# KiCad board keyboard0.kicad_pcb (continued)
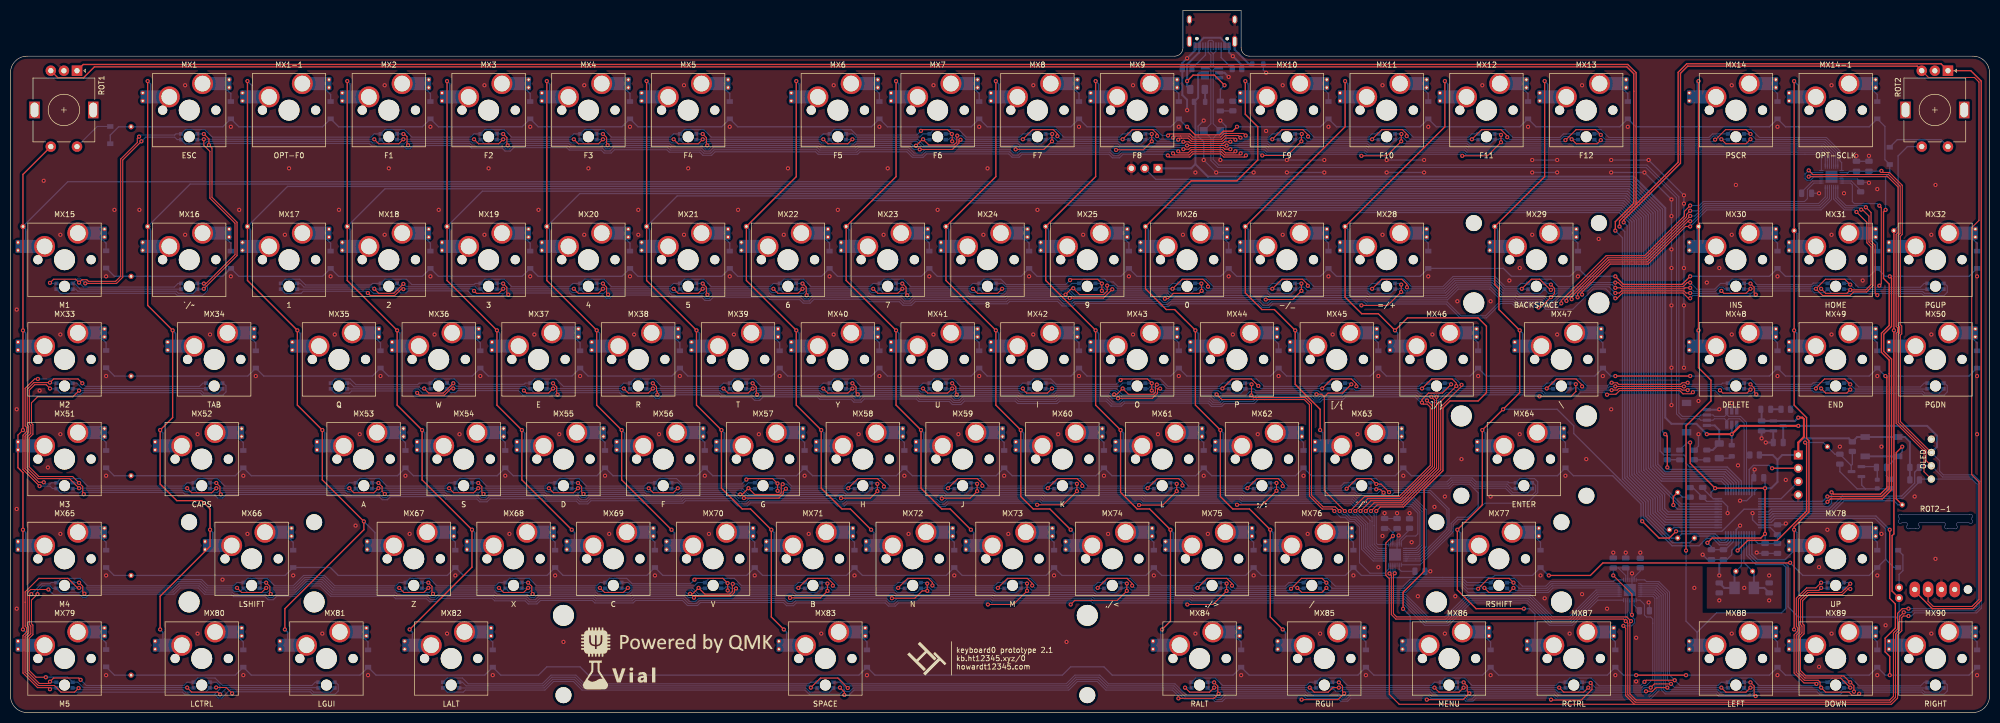
[diagram p0: board, top side]
## Routing (per net, layer and track width the routed paths; a pad name or vN(x,y) marks a point on that pad's centre or on a via; arc(x,y) is an arc through that point) (continued)
2CA2: length 237
  Top w0.2: v1(84.53,62.91) 82.66,61.04 79.84,61.04 v1(78.97,61.91) ; v1(253.73,38.49) 252.93,39.29 250.58,39.29 248.36,41.51 248.36,58.99 247.16,60.2 237.26,60.2 v1(236.87,60.59) 236.92,60.63 v1(236.92,62.7)
  Bottom w0.2: v1(84.53,62.91) 85.13,62.31 98.26,62.31 98.72,61.85 98.72,61.84 LED35.3 100.05,61.04 103.74,61.04 104.21,61.51 116.43,61.51 116.73,61.21 117.67,61.21 LED36.3 119.1,61.04 122.79,61.04 123.26,61.51 135.48,61.51 135.78,61.21 136.72,61.21 LED37.3 138.15,61.04 141.84,61.04 142.31,61.51 154.53,61.51 154.83,61.21 155.77,61.21 LED38.3 157.2,61.04 160.89,61.04 161.36,61.51 173.58,61.51 173.88,61.21 174.81,61.21 LED39.3 176.25,61.04 179.94,61.04 180.41,61.51 192.63,61.51 192.93,61.21 193.86,61.21 LED40.3 195.29,61.04 198.99,61.04 199.46,61.51 210.96,61.51 212.16,60.31 229.13,60.31 229.75,59.69 230.75,59.69 231.3,60.24 236.52,60.24 v1(236.87,60.59) ; LED33.1 64.85,62.94 65.55,62.24 78.02,62.24 78.35,61.91 v1(78.97,61.91) 79.04,61.84 LED34.3 ; v1(236.92,62.7) 236.68,62.94 LED42.1 ; v1(253.73,38.49) 254.45,37.77 254.89,37.77 255.75,36.9 256.63,36.9 257.93,35.61 257.93,34.73 257.93,34.73 257.93,31.2 260.17,28.96 262.36,28.96
2CA3: length 251
  Top w0.2: 250.81,60.32 251.53,61.04 254.31,61.04 v1(255.97,62.7) ; 250.81,60.32 250.32,60.81 v1(249.32,60.81) ; 250.81,60.32 250.81,42.41 v1(254.73,38.49) ; v1(103.58,61.91) 102.71,61.04 98.49,61.04 v1(98.02,61.51) ; v1(179.77,61.91) 178.9,61.04 175.09,61.04 v1(174.22,61.91) ; v1(136.12,61.91) 136.99,61.04 140.81,61.04 v1(141.68,61.91) ; v1(160.72,61.91) 159.86,61.04 156.04,61.04 v1(155.17,61.91) ; v1(77.64,61.06) 78.06,60.64 82.83,60.64 84.09,61.91 v1(84.53,61.91) ; v1(193.27,61.91) 193.27,61.74 193.97,61.04 197.95,61.04 v1(198.82,61.91) ; v1(122.63,61.91) 121.76,61.04 117.94,61.04 v1(117.07,61.91)
  Bottom w0.2: LED35.2 103.51,61.84 v1(103.58,61.91) v1(117.07,61.91) ; LED37.2 141.61,61.84 v1(141.68,61.91) v1(155.17,61.91) ; 83.5,62.94 v1(84.53,61.91) 97.63,61.91 v1(98.02,61.51) ; LED36.2 122.56,61.84 v1(122.63,61.91) v1(136.12,61.91) ; LED43.1 255.73,62.94 v1(255.97,62.7) ; v1(193.27,61.91) v1(179.77,61.91) 179.7,61.84 LED39.2 ; v1(174.22,61.91) v1(160.72,61.91) 160.66,61.84 LED38.2 ; LED40.2 198.75,61.84 v1(198.82,61.91) 211.12,61.91 212.32,60.71 229.29,60.71 229.91,60.09 230.58,60.09 231.13,60.64 235.89,60.64 236.54,61.29 237.37,61.29 237.55,61.11 248.83,61.11 249.13,60.81 v1(249.32,60.81) ; I2.23 260.33,29.36 258.33,31.36 258.33,35.77 256.8,37.3 255.92,37.3 255.55,37.68 255.55,37.68 v1(254.73,38.49) ; LED33.3 61.95,61.04 64.74,61.04 65.14,61.44 77.26,61.44 v1(77.64,61.06)
2CA4: length 269.9
  Top w0.2: v1(103.58,62.91) 104.28,62.21 104.28,60.9 v1(104.44,60.74) ; v1(275.02,62.7) 273.35,61.04 270.7,61.04 269.45,59.79 v1(269.45,59.22) 269.75,58.92 270.46,58.92 271.04,58.35 271.04,47.22 265.1,41.27 258.51,41.27 v1(255.73,38.49)
  Bottom w0.2: v1(255.73,38.49) 255.74,38.49 256.47,37.76 256.91,37.76 258.73,35.94 258.73,35.06 258.73,35.06 258.73,31.53 260.5,29.76 I2.24 ; v1(275.02,62.7) 274.78,62.94 LED44.1 ; v1(103.58,62.91) 103.55,62.94 LED35.1 ; v1(269.45,59.22) 269.2,59.22 268.11,60.31 254.91,60.31 254.44,59.84 250.52,59.84 249.99,59.31 248.68,59.31 248.08,59.91 238.32,59.91 237.45,59.04 231.8,59.04 231.25,58.49 229.25,58.49 228.63,59.11 212.67,59.11 212.1,58.54 210.1,58.54 209.14,59.51 200.29,59.51 199.82,59.04 192.27,59.04 191.8,59.51 182.13,59.51 181.47,58.84 179.8,58.84 179.2,59.44 173.39,59.44 172.92,59.91 163,59.91 162.4,59.31 161,59.31 160.47,59.84 154.5,59.84 154.04,60.31 143.7,60.31 143.04,59.64 142.03,59.64 141.44,60.24 135.62,60.24 135.15,60.71 124.49,60.71 123.82,60.04 123.15,60.04 122.63,60.57 116.81,60.57 116.27,61.11 104.8,61.11 v1(104.44,60.74) 104.33,60.64 97.86,60.64 96.99,61.51 85.32,61.51 84.93,61.11 84.03,61.11 LED34.2 82.5,61.04 78.65,61.04 77.85,61.84 LED33.2
2CA5: length 231.4
  Top w0.2: v1(298.83,62.74) 298.83,61.35 298.84,61.34 297.86,60.35 291.95,60.35 v1(291.9,60.41) ; v1(270.41,59.62) 271.44,58.59 271.44,47.05 265.26,40.87 259.11,40.87 v1(256.73,38.49) ; v1(122.63,62.91) 122.66,62.91 123.33,62.24 123.33,61.47 123.49,61.31 v1(123.49,60.74)
  Bottom w0.2: v1(291.9,60.41) 291.6,60.71 274.23,60.71 272.73,59.21 270.82,59.21 v1(270.41,59.62) 270.11,59.92 269.07,59.92 268.28,60.71 254.74,60.71 254.27,60.24 250.35,60.24 249.82,59.71 248.85,59.71 248.25,60.31 238.15,60.31 237.28,59.44 231.63,59.44 231.09,58.89 229.41,58.89 228.8,59.51 212.5,59.51 211.94,58.94 210.27,58.94 209.31,59.91 200.12,59.91 199.65,59.44 192.44,59.44 191.97,59.91 181.97,59.91 181.3,59.24 179.97,59.24 179.37,59.84 173.55,59.84 173.08,60.31 162.84,60.31 162.24,59.71 161.17,59.71 160.64,60.24 154.67,60.24 154.2,60.71 143.54,60.71 142.87,60.04 142.2,60.04 141.6,60.64 135.79,60.64 135.32,61.11 123.85,61.11 v1(123.49,60.74) ; I2.25 260.66,30.16 259.13,31.69 259.13,36.1 256.74,38.49 v1(256.73,38.49) ; LED36.1 122.6,62.94 v1(122.63,62.91) ; v1(298.83,62.74) 298.63,62.94 LED45.1
2CA6: length 287.4
  Top w0.2: v1(257.73,38.49) 259.71,40.47 265.43,40.47 271.84,46.88 271.84,59.72 v1(271.24,60.32) ; v1(345.66,61.91) 346.53,61.04 350.55,61.04 v1(351.21,61.7) ; v1(142.54,60.74) 142.38,60.9 142.38,62.21 v1(141.68,62.91) ; v1(333.28,60.79) 332.96,61.12 332.96,61.91 v1(332.16,62.7) ; v1(321.17,61.21) 320.86,60.9 319.27,60.9 318.66,61.51 307.17,61.51 306.47,60.81 304.87,60.81 v1(304.78,60.72)
  Bottom w0.2: 262.36,30.56 260.83,30.56 259.53,31.86 259.53,36.68 259.53,36.69 v1(257.73,38.49) ; LED48.2 368.23,61.04 365.4,61.04 365.04,61.4 351.51,61.4 v1(351.21,61.7) 351.08,61.84 LED47.2 ; v1(142.54,60.74) 142.9,61.11 154.37,61.11 154.84,60.64 160.8,60.64 161.33,60.11 162.07,60.11 162.67,60.71 173.25,60.71 173.72,60.24 179.53,60.24 180.13,59.64 181.13,59.64 181.8,60.31 192.13,60.31 192.6,59.84 199.49,59.84 199.95,60.31 209.47,60.31 210.44,59.34 211.77,59.34 212.33,59.91 228.96,59.91 229.58,59.29 230.92,59.29 231.47,59.84 237.11,59.84 237.99,60.71 248.41,60.71 249.01,60.11 249.66,60.11 250.19,60.64 254.11,60.64 254.58,61.11 268.5,61.11 269.29,60.32 v1(271.24,60.32) 271.95,59.61 272.57,59.61 274.06,61.11 292.32,61.11 292.79,60.64 299.18,60.64 299.74,61.2 304.3,61.2 v1(304.78,60.72) ; v1(321.17,61.21) 321.47,61.51 325.42,61.51 326.33,60.6 333.09,60.6 v1(333.28,60.79) ; v1(345.66,61.91) 344.96,62.61 344.32,62.61 344.02,62.31 332.56,62.31 v1(332.16,62.7) 331.93,62.94 LED46.1 ; v1(141.68,62.91) 141.64,62.94 LED37.1
2CA7: length 263.1
  Top w0.2: v1(320.17,61.6) 319.14,61.6 318.83,61.91 307,61.91 306.7,61.61 305.67,61.61 v1(305.66,61.6) ; v1(161.74,60.81) 161.42,61.12 161.42,62.21 v1(160.72,62.91) ; v1(344.66,61.91) 344.66,62.1 346.3,63.74 350.18,63.74 v1(351.21,62.7) ; v1(219.48,61.89) 218.97,61.89 218.97,61.01 218,60.04 v1(211.43,60.04) ; v1(272.24,60.32) 272.24,46.72 265.59,40.07 260.3,40.07 v1(258.73,38.49) ; v1(332.16,61.7) 331.5,61.04 326.88,61.04 v1(326.35,61.57)
  Bottom w0.2: v1(211.43,60.04) 210.3,60.04 209.64,60.71 199.79,60.71 199.32,60.24 192.77,60.24 192.3,60.71 181.63,60.71 180.97,60.04 180.3,60.04 179.7,60.64 173.88,60.64 173.42,61.11 162.04,61.11 v1(161.74,60.81) ; LED38.1 160.69,62.94 v1(160.72,62.91) ; v1(305.66,61.6) 299.62,61.6 299.18,62.04 298.51,62.04 298.31,61.84 LED45.2 296.8,61.04 292.95,61.04 292.48,61.51 275.81,61.51 275.48,61.84 LED44.2 ; LED47.1 350.98,62.94 v1(351.21,62.7) 352.11,61.8 365.9,61.8 ; v1(344.66,61.91) 344.65,61.91 332.37,61.91 v1(332.16,61.7) 332.03,61.84 LED46.2 ; v1(258.73,38.49) 258.74,38.49 259.93,37.3 259.93,36.52 259.93,36.52 259.93,32.02 260.99,30.96 262.36,30.96 ; 273.76,61.84 v1(272.24,60.32) 271.52,61.04 269.14,61.04 268.67,61.51 256.76,61.51 256.43,61.84 LED43.2 253.94,61.04 250.09,61.04 249.62,61.51 237.71,61.51 237.39,61.84 LED42.2 234.89,61.04 231.04,61.04 230.57,61.51 219.85,61.51 v1(219.48,61.89) 218.57,61.89 218.25,62.21 217.54,62.21 217.17,61.84 LED41.2 ; v1(320.17,61.6) 320.48,61.91 326.02,61.91 v1(326.35,61.57)
2CA8: length 255.6
  Top w0.2: v1(293.27,61.91) 295.1,63.74 298.86,63.74 300.02,62.58 v1(300.02,62.31) ; v1(179.77,62.91) 180.47,62.21 180.47,60.9 v1(180.63,60.74) ; v1(210.7,60.78) 211.19,60.78 v1(212.31,61.91) 213.41,60.81 218.21,60.81 218.57,61.18 218.57,62.39 v1(218.84,62.66) ; v1(269.46,61.91) 271.29,63.74 275.21,63.74 276.01,62.94 v1(276.01,62.37) 272.64,59 272.64,46.55 265.76,39.67 260.91,39.67 v1(259.73,38.49) ; v1(250.41,61.91) 252.24,63.74 255.97,63.74 256.94,62.77 v1(256.94,62.33) ; v1(238.21,62.4) 236.87,63.74 233.19,63.74 v1(231.36,61.91) ; v1(319.46,62.31) v1(306.37,62.31)
  Bottom w0.2: v1(306.37,62.31) 305.33,62.31 305.03,62 300.33,62 v1(300.02,62.31) ; v1(212.31,61.91) 212.38,61.84 LED41.3 ; LED42.3 231.43,61.84 v1(231.36,61.91) 220.79,61.91 220.04,62.66 v1(218.84,62.66) ; v1(276.01,62.37) 276.47,61.91 v1(293.27,61.91) 293.34,61.84 LED45.3 ; v1(180.63,60.74) 181,61.11 192.46,61.11 192.93,60.64 199.15,60.64 199.62,61.11 209.8,61.11 210.13,60.78 v1(210.7,60.78) ; 369.22,62.94 369.73,62.43 369.73,61.25 369.12,60.64 365.24,60.64 364.87,61 347.72,61 LED47.3 346.25,61.21 344.32,61.21 344.02,61.51 333,61.51 332.5,61 328.67,61 LED46.3 327.07,61.84 326.61,62.31 v1(319.46,62.31) ; v1(256.94,62.33) 257.35,61.91 268.83,61.91 268.84,61.91 v1(269.46,61.91) 269.53,61.84 LED44.3 ; v1(179.77,62.91) 179.74,62.94 LED39.1 ; I2.28 261.16,31.36 260.33,32.19 260.33,35.72 260.33,35.72 260.33,37.89 v1(259.73,38.49) ; LED43.3 250.48,61.84 v1(250.41,61.91) 249.79,61.91 249.78,61.91 238.7,61.91 v1(238.21,62.4)
2CA9: length 219.4
  Top w0.2: v1(305.66,63.01) 305.67,63.01 306.7,63.01 307,62.71 318.83,62.71 319.14,63.01 v1(320.17,63.01) ; v1(277.01,62.61) 277.01,62.34 273.04,58.37 273.04,46.39 265.92,39.27 261.51,39.27 260.73,38.5
  Bottom w0.2: LED47.4 347.68,63.74 351.31,63.74 352.85,62.2 364.6,62.2 365.34,62.94 LED48.4 ; v1(260.73,38.5) 260.73,38.49 260.73,32.35 260.99,32.1 I2.1 ; 346.82,63.01 344.15,63.01 343.85,62.71 333.2,62.71 332.16,63.74 328.64,63.74 LED46.4 326.84,62.94 326.61,62.71 320.48,62.71 v1(320.17,63.01) ; v1(305.66,63.01) 305.47,63.01 304.86,62.4 300.96,62.4 299.62,63.74 295.3,63.74 LED45.4 293.27,62.94 292.64,62.31 277.31,62.31 v1(277.01,62.61) 275.88,63.74 271.49,63.74 LED44.4 269.46,62.94 268.83,62.31 257.99,62.31 256.56,63.74 252.44,63.74 LED43.4 250.41,62.94 249.78,62.31 239.29,62.31 237.87,63.74 233.39,63.74 LED42.4 231.36,62.94 230.73,62.31 220.96,62.31 219.53,63.74 214.34,63.74 LED41.4 212.31,62.94 211.68,62.31 199.46,62.31 198.83,62.94 LED40.1
2CB1: length 340.2
  Top w0.2: v1(140.48,44.52) 140.66,44.7 145.5,44.7 v1(146.43,43.76) 146.44,43.75 v1(146.44,42.36) ; v1(6.35,43.99) 5.39,43.99 2.78,46.6 2.78,52.81 3.48,53.51 3.48,54.66 3.21,54.93 3.21,61.77 4.47,63.04 v1(7.54,63.04) 8.24,63.74 12.89,63.74 v1(13.71,62.92)
  Bottom w0.2: v1(6.35,43.99) 6.68,43.66 7.54,43.66 7.78,43.89 LED51.4 9.57,44.69 13.3,44.69 14.73,43.26 33.1,43.26 33.73,43.89 LED52.4 35.76,44.69 39.49,44.69 40.92,43.26 64.05,43.26 64.68,43.89 LED53.4 66.71,44.69 70.45,44.69 71.88,43.26 83.1,43.26 83.73,43.89 LED54.4 85.76,44.69 89.5,44.69 90.93,43.26 102.15,43.26 102.78,43.89 LED55.4 104.81,44.69 108.55,44.69 109.98,43.26 121.04,43.26 121.67,43.89 LED56.4 123.86,44.69 127.16,44.69 128.19,43.66 139.63,43.66 v1(140.48,44.52) ; v1(7.54,63.04) 7.64,62.94 LED49.4 ; I2.7 265.5,32.77 266.47,33.73 268.27,33.73 268.67,34.13 268.67,38.1 267.36,39.4 256.39,39.4 255.81,39.98 234.92,39.98 234.52,40.39 216.25,40.39 215.85,40.79 197.21,40.79 196.81,41.19 178.48,41.19 178.08,41.59 159.6,41.59 159.13,42.06 148.03,42.06 148.03,42.06 146.74,42.06 v1(146.44,42.36) ; LED50.4 36.74,62.94 36.11,62.31 14.32,62.31 v1(13.71,62.92) ; LED57.1 146.3,43.89 v1(146.43,43.76)
2CB2: length 340
  Top w0.2: v1(5.56,43.26) 2.38,46.43 2.38,52.98 3.08,53.68 3.08,54.49 2.81,54.77 2.81,61.94 4.61,63.74 v1(5.23,63.74) ; v1(165.49,43.69) v1(165.49,42.29) 164.16,40.96 v1(158.55,40.96)
  Bottom w0.2: 37.27,61.91 13.73,61.91 12.7,62.94 LED49.1 11.07,63.74 v1(5.23,63.74) ; v1(158.55,40.96) 158.25,41.26 140.73,41.26 139.53,42.46 128.02,42.46 127.56,41.99 123.86,41.99 LED56.3 122.43,42.16 121.5,42.16 121.2,42.46 108.98,42.46 108.51,41.99 104.81,41.99 LED55.3 103.38,42.16 102.45,42.16 102.15,42.46 89.93,42.46 89.46,41.99 85.76,41.99 LED54.3 84.33,42.16 83.4,42.16 83.1,42.46 71.03,42.46 70.56,41.99 66.71,41.99 LED53.3 65.28,42.16 64.35,42.16 64.05,42.46 39.92,42.46 39.46,41.99 35.76,41.99 LED52.3 34.33,42.16 33.4,42.16 33.1,42.46 13.73,42.46 13.26,41.99 9.57,41.99 LED51.3 8.01,42.79 7.54,43.26 v1(5.56,43.26) ; LED58.1 165.29,43.89 v1(165.49,43.69) ; v1(165.49,42.29) 165.79,41.99 178.25,41.99 178.65,41.59 196.98,41.59 197.38,41.19 216.01,41.19 216.41,40.79 234.68,40.79 235.09,40.38 255.98,40.38 256.56,39.8 267.53,39.8 269.07,38.26 269.07,32.13 268.29,31.36 I2.8
2CB3: length 351.3
  Top w0.2: v1(177.79,40.89) 177.86,40.96 183.2,40.96 v1(184.54,42.29) v1(184.54,43.69) ; v1(83.74,42.86) 84.6,41.99 88.42,41.99 v1(89.29,42.86) ; v1(102.78,42.86) 103.65,41.99 107.47,41.99 v1(108.34,42.86) ; v1(70.24,42.86) 69.37,41.99 65.56,41.99 v1(64.69,42.86) ; v1(13.1,42.86) 11.27,44.69 5.25,44.69 3.18,46.76 3.18,52.65 3.88,53.35 3.88,54.85 3.6,55.13 3.6,61.61 4.64,62.64 6.81,62.64 v1(7.54,61.91) ; v1(33.73,42.86) 34.6,41.99 38.42,41.99 v1(39.29,42.86) ; v1(121.83,42.86) 122.7,41.99 126.52,41.99 v1(127.39,42.86)
  Bottom w0.2: v1(177.79,40.89) 177.49,41.19 159.43,41.19 158.96,41.66 140.89,41.66 139.69,42.86 v1(127.39,42.86) 127.32,42.79 LED56.2 ; LED53.2 70.17,42.79 v1(70.24,42.86) v1(83.74,42.86) ; v1(102.78,42.86) v1(89.29,42.86) 89.22,42.79 LED54.2 ; v1(7.54,61.91) 7.61,61.84 LED49.3 9.57,61.04 12.53,61.04 12.76,60.81 13.43,60.81 13.73,61.11 36.21,61.11 36.69,60.64 40.53,60.64 41.14,61.25 41.14,62.43 40.63,62.94 ; LED59.1 184.34,43.89 v1(184.54,43.69) ; v1(184.54,42.29) 184.84,41.99 197.14,41.99 197.54,41.59 216.18,41.59 216.58,41.19 234.85,41.19 235.25,40.78 256.15,40.78 256.73,40.2 267.69,40.2 269.47,38.43 269.47,31.97 268.46,30.96 266.24,30.96 ; v1(64.69,42.86) v1(39.29,42.86) 39.22,42.79 LED52.2 ; LED55.2 108.27,42.79 v1(108.34,42.86) v1(121.83,42.86) ; LED51.2 13.03,42.79 v1(13.1,42.86) v1(33.73,42.86)
2CB4: length 343.6
  Top w0.2: v1(203.58,43.69) v1(203.58,42.29) 200.98,39.69 v1(195.99,39.69) ; v1(13.1,61.51) 11.91,60.32 5.16,60.32 4,59.17 4,55.29 4.28,55.02 4.28,53.18 3.58,52.48 3.58,46.93 5.42,45.09 11.87,45.09 v1(13.1,43.86) 13.8,43.16 13.8,41.92 v1(13.99,41.73)
  Bottom w0.2: v1(13.1,43.86) 13.07,43.89 LED51.1 ; 266.24,30.56 267.15,30.56 268.62,30.56 269.87,31.8 269.87,38.59 267.86,40.6 256.89,40.6 256.31,41.18 235.42,41.18 235.01,41.59 216.74,41.59 216.34,41.99 203.88,41.99 v1(203.58,42.29) ; LED50.2 39.64,61.04 36.85,61.04 36.38,61.51 v1(13.1,61.51) 12.77,61.84 LED49.2 ; LED60.1 203.38,43.89 v1(203.58,43.69) ; v1(195.99,39.69) 195.69,39.99 179.06,39.99 178.46,39.39 177.12,39.39 176.52,39.99 159.75,39.99 159.22,39.46 157.83,39.46 157.23,40.06 141.27,40.06 140.68,39.48 138.77,39.48 137.79,40.46 128.85,40.46 128.38,39.99 120.84,39.99 120.37,40.46 110.82,40.46 110.22,39.86 108.56,39.86 108.03,40.39 101.95,40.39 101.49,40.86 91.57,40.86 90.97,40.26 89.57,40.26 89.04,40.79 83.07,40.79 82.6,41.26 72.56,41.26 71.96,40.66 70.96,40.66 70.43,41.19 64.19,41.19 63.72,41.66 41.15,41.66 40.48,40.99 39.57,40.99 38.97,41.59 33.4,41.59 32.93,42.06 14.32,42.06 v1(13.99,41.73)
2CB5: length 255.4
  Top w0.2: v1(40.15,41.69) 39.99,41.85 39.99,43.16 v1(39.29,43.86) ; v1(222.63,43.69) v1(222.63,42.29) 219.98,39.64 v1(215.44,39.64)
  Bottom w0.2: v1(222.63,43.69) 222.43,43.89 LED61.1 ; I2.11 266.99,30.16 268.79,30.16 270.27,31.64 270.27,38.76 268.02,41 257.06,41 256.48,41.58 235.59,41.58 235.18,41.99 222.93,41.99 v1(222.63,42.29) ; v1(215.44,39.64) 215.09,39.99 196.88,39.99 196.48,40.39 178.89,40.39 178.29,39.79 177.29,39.79 176.69,40.39 159.58,40.39 159.05,39.86 158,39.86 157.4,40.46 141.1,40.46 140.52,39.88 138.93,39.88 137.95,40.86 128.69,40.86 128.22,40.39 121,40.39 120.53,40.86 110.66,40.86 110.06,40.26 108.72,40.26 108.19,40.79 102.12,40.79 101.65,41.26 91.41,41.26 90.81,40.66 89.74,40.66 89.2,41.19 83.24,41.19 82.77,41.66 72.4,41.66 71.8,41.06 71.12,41.06 70.59,41.59 64.35,41.59 63.88,42.06 40.51,42.06 v1(40.15,41.69) ; v1(39.29,43.86) 39.26,43.89 LED52.1
2CB6: length 265.2
  Top w0.2: v1(70.24,43.86) 70.94,43.16 70.94,42.28 v1(71.46,41.76) ; v1(241.68,43.86) v1(241.68,42.37) 239.01,39.69 v1(234.14,39.69) ; v1(260.73,42.65) 261.49,42.65 v1(262.12,42.02)
  Bottom w0.2: LED53.1 70.21,43.89 v1(70.24,43.86) ; v1(241.68,42.37) 242.06,41.98 256.64,41.98 257.22,41.4 261.51,41.4 v1(262.12,42.02) 262.73,41.4 263.51,41.4 264.16,42.05 270.89,42.05 274.22,38.73 274.22,35.32 274.22,35.32 274.22,35.03 268.95,29.76 266.82,29.76 I2.12 ; v1(234.14,39.69) 234.14,39.69 233.84,39.99 216.08,39.99 215.68,40.39 197.04,40.39 196.64,40.79 178.72,40.79 178.12,40.19 177.45,40.19 176.85,40.79 159.42,40.79 158.89,40.26 158.17,40.26 157.57,40.86 140.94,40.86 140.35,40.28 139.1,40.28 138.12,41.26 128.52,41.26 128.05,40.79 121.17,40.79 120.7,41.26 110.49,41.26 109.89,40.66 108.89,40.66 108.36,41.19 102.29,41.19 101.82,41.66 91.24,41.66 90.64,41.06 89.9,41.06 89.37,41.59 83.4,41.59 82.93,42.06 71.76,42.06 v1(71.46,41.76) ; v1(241.68,43.86) 241.65,43.89 LED62.1 ; LED63.2 260.59,42.79 v1(260.73,42.65) 261.33,43.25 274.56,43.25 275.32,44.02 278.72,44.02 279.48,43.25 280.57,43.25 285.57,43.25 286.83,41.99 289.66,41.99 LED64.2
2CB7: length 245.2
  Top w0.2: v1(263.18,42.1) 261.63,43.65 v1(260.73,43.65) 259.69,44.69 257,44.69 v1(255.08,42.77) ; v1(140.02,40.98) 146.71,40.98 147.54,41.81 147.54,42.28 v1(148.03,42.76) ; v1(89.29,43.86) 89.99,43.16 89.99,42.07 v1(90.3,41.76)
  Bottom w0.2: v1(89.29,43.86) 89.26,43.89 LED54.1 ; I2.13 266.66,29.36 268.26,29.36 268.26,29.36 269.12,29.36 274.62,34.86 274.62,38.89 271.06,42.45 263.52,42.45 v1(263.18,42.1) ; LED57.2 145.83,42.79 146.1,43.06 146.77,43.06 147.07,42.76 v1(148.03,42.76) 148.33,42.46 159.29,42.46 159.76,41.99 163.46,41.99 LED58.2 164.95,42.79 165.15,42.99 165.82,42.99 166.35,42.46 178.34,42.46 178.81,41.99 182.51,41.99 LED59.2 184,42.79 184.2,42.99 184.87,42.99 185.4,42.46 197.24,42.46 197.71,41.99 201.56,41.99 LED60.2 203.05,42.79 203.25,42.99 203.92,42.99 204.45,42.46 216.44,42.46 216.91,41.99 220.6,41.99 LED61.2 222.1,42.79 222.3,42.99 223.14,42.99 223.67,42.46 235.33,42.46 235.8,41.99 239.65,41.99 LED62.2 241.07,42.79 241.35,43.07 242.02,43.07 242.62,42.47 254.78,42.47 v1(255.08,42.77) ; LED63.1 260.49,43.89 v1(260.73,43.65) 274.39,43.65 275.15,44.42 278.88,44.42 279.65,43.65 285.73,43.65 286.59,42.79 LED64.3 ; v1(140.02,40.98) 138.98,40.98 138.3,41.66 128.36,41.66 127.89,41.19 121.33,41.19 120.87,41.66 110.31,41.66 109.71,41.06 109.06,41.06 108.52,41.59 102.45,41.59 101.98,42.06 90.6,42.06 v1(90.3,41.76)
2CB8: length 233.2
  Top w0.2: v1(242.87,43.26) 242.87,43.82 242,44.69 237.96,44.69 v1(236.13,42.86) ; v1(217.08,42.86) 218.91,44.69 223,44.69 223.74,43.95 v1(223.74,43.38) ; v1(159.93,42.86) 161.76,44.69 165.53,44.69 165.53,44.69 166.74,43.47 v1(166.74,43.16) ; v1(198.03,42.86) 199.86,44.69 203.62,44.69 204.61,43.7 v1(204.61,43.29) ; v1(147.42,43.63) 147.14,43.35 147.14,41.97 146.83,41.66 142.08,41.66 v1(140.88,42.86) 139.71,41.69 v1(139.31,41.69) ; v1(178.98,42.86) 180.81,44.69 184.57,44.69 185.53,43.74 v1(185.53,43.33) ; v1(108.34,43.86) 109.04,43.16 109.04,42.11 v1(109.39,41.76)
  Bottom w0.2: 279.32,42.85 278.55,43.62 275.49,43.62 274.72,42.85 261.97,42.85 260.92,41.8 257.39,41.8 LED63.3 256.09,42.79 255.41,43.47 254.74,43.47 254.14,42.87 243.26,42.87 v1(242.87,43.26) ; 279.32,42.85 285.4,42.85 286.66,41.59 290.55,41.59 291.16,42.2 291.16,43.38 290.65,43.89 ; 279.32,42.85 280.18,41.99 280.18,39.29 278.19,37.3 276.21,37.3 275.02,36.12 275.02,34.7 269.28,28.96 266.24,28.96 ; v1(204.61,43.29) 205.04,42.86 v1(217.08,42.86) 217.15,42.79 LED61.3 ; v1(185.53,43.33) 185.99,42.86 v1(198.03,42.86) 198.1,42.79 LED60.3 ; v1(147.42,43.63) 148.2,43.63 148.96,42.86 v1(159.93,42.86) 160,42.79 LED58.3 ; v1(139.31,41.69) 138.88,41.69 138.51,42.06 128.19,42.06 127.72,41.59 121.5,41.59 121.03,42.06 109.69,42.06 v1(109.39,41.76) ; v1(223.74,43.38) 224.26,42.86 235.5,42.86 235.5,42.86 v1(236.13,42.86) 236.19,42.79 LED62.3 ; v1(166.74,43.16) 167.04,42.86 v1(178.98,42.86) 179.05,42.79 LED59.3 ; LED57.3 140.95,42.79 v1(140.88,42.86) ; v1(108.34,43.86) 108.31,43.89 LED55.1
2CB9: length 209.6
  Bottom w0.2: LED56.1 127.39,43.89 128.02,43.26 140.25,43.26 140.88,43.89 LED57.4 142.91,44.69 147.7,44.69 149.13,43.26 159.29,43.26 159.93,43.89 LED58.4 161.96,44.69 166.43,44.69 167.86,43.26 178.34,43.26 178.97,43.89 LED59.4 181.01,44.69 185.36,44.69 186.79,43.26 197.39,43.26 198.02,43.89 LED60.4 200.06,44.69 204.25,44.69 205.68,43.26 216.44,43.26 217.07,43.89 LED61.4 219.1,44.69 223.47,44.69 224.89,43.26 235.49,43.26 236.12,43.89 LED62.4 238.15,44.69 242.47,44.69 243.9,43.27 253.97,43.27 254.6,43.89 LED63.4 257.2,44.69 260.73,44.69 261.37,44.05 274.23,44.05 274.99,44.82 279.05,44.82 279.81,44.05 285.9,44.05 286.06,43.89 LED64.4 288.16,44.69 290.95,44.69 291.56,44.08 291.56,42.04 289.52,40 281.45,40 278.36,36.9 276.37,36.9 275.42,35.95 275.42,34.53 269.11,28.22 I2.15
3CA1: length 400.3
  Top w0.2: v1(3.97,22.62) 3.61,22.26 3.61,16.82 3.88,16.54 3.88,15.05 3.18,14.35 3.18,7.87 5.49,5.56 7.21,5.56 v1(7.54,5.89) 8.24,6.59 13.05,6.59 v1(13.39,6.25) ; v1(136.91,23.32) 136.91,24.71 v1(136.9,24.72) 135.98,25.64 130.82,25.64 v1(130.57,25.39)
  Bottom w0.2: v1(13.39,6.25) 14.48,5.16 33.1,5.16 33.73,5.79 LED66.4 35.76,6.59 39.06,6.59 40.48,5.17 57.56,5.17 58.18,5.79 LED67.4 ; LED73.1 136.78,24.84 v1(136.9,24.72) ; LED65.4 7.64,5.79 v1(7.54,5.89) ; 8.87,24.84 9.67,25.64 13.3,25.64 14.73,24.21 30.55,24.21 31.74,25.4 36.51,25.4 37.7,24.21 42.62,24.21 43.25,24.84 LED69.4 45.28,25.64 49.02,25.64 50.45,24.21 53.97,24.21 55.96,26.19 59.92,26.19 61.91,24.21 73.57,24.21 74.21,24.84 LED70.4 76.24,25.64 79.97,25.64 81.4,24.21 92.62,24.21 93.25,24.84 LED71.4 95.29,25.64 99.02,25.64 100.45,24.21 111.91,24.21 112.54,24.84 LED72.4 114.34,25.64 117.64,25.64 118.67,24.61 129.79,24.61 v1(130.57,25.39) ; I3.21 303.01,21.48 298.19,16.66 293.8,16.66 289.51,20.94 278.78,20.94 274.49,16.66 269.99,16.66 265.7,20.94 225.39,20.94 224.99,21.34 206.74,21.34 206.34,21.74 187.69,21.74 187.29,22.14 168.99,22.14 168.59,22.54 149.92,22.54 149.45,23.01 137.22,23.01 v1(136.91,23.32) ; LED68.4 7.77,24.84 7.54,24.61 5.96,24.61 v1(3.97,22.62)
3CA2: length 396.5
  Top w0.2: v1(40.02,3.47) 39.59,3.89 34.6,3.89 v1(33.73,4.76) ; v1(148.82,21.91) 154.63,21.91 v1(155.96,23.24) v1(155.96,24.64) ; v1(5.16,22.62) 4.01,21.47 4.01,16.98 4.28,16.71 4.28,14.89 3.58,14.19 3.58,8.04 4.87,6.75 v1(6.75,6.75)
  Bottom w0.2: v1(5.16,22.62) 5.16,23.25 6.12,24.21 7.54,24.21 8.01,23.74 LED68.3 9.57,22.94 13.26,22.94 13.73,23.41 30.89,23.41 32.08,24.6 36.18,24.6 37.37,23.41 42.47,23.41 42.77,23.11 43.85,23.11 LED69.3 45.28,22.94 48.98,22.94 49.45,23.41 54.31,23.41 56.29,25.39 59.59,25.39 61.57,23.41 73.57,23.41 73.87,23.11 74.81,23.11 LED70.3 76.24,22.94 79.93,22.94 80.4,23.41 92.62,23.41 92.92,23.11 93.86,23.11 LED71.3 95.29,22.94 98.98,22.94 99.45,23.41 111.9,23.41 112.2,23.11 112.91,23.11 LED72.3 114.34,22.94 118.03,22.94 118.5,23.41 130,23.41 131.2,22.21 148.52,22.21 v1(148.82,21.91) ; 58.7,4.76 41.31,4.76 v1(40.02,3.47) ; LED74.1 155.76,24.84 v1(155.96,24.64) ; I3.22 303.18,22.21 298.02,17.06 293.97,17.06 289.68,21.34 278.61,21.34 274.32,17.06 270.15,17.06 265.87,21.34 225.56,21.34 225.16,21.74 206.9,21.74 206.5,22.14 187.85,22.14 187.45,22.54 169.16,22.54 168.76,22.94 156.26,22.94 v1(155.96,23.24) ; LED66.3 33.8,4.69 v1(33.73,4.76) 13.89,4.76 12.86,5.79 LED65.1 10.91,6.75 v1(6.75,6.75)
3CA3: length 413.2
  Top w0.2: v1(112.54,23.81) 113.41,22.94 117,22.94 v1(117.86,23.81) ; v1(74.21,23.81) 75.08,22.94 78.9,22.94 v1(79.77,23.81) ; v1(98.82,23.81) 97.95,22.94 94.13,22.94 v1(93.26,23.81) ; v1(48.81,23.81) 47.94,22.94 44.13,22.94 v1(43.26,23.81) ; v1(168.26,21.84) 172.64,21.84 174.04,23.24 v1(175.01,23.24) v1(175.01,24.64) ; v1(13.1,23.81) 12.8,23.81 10.97,25.64 5.4,25.64 2.81,23.04 2.81,21.06 2.81,16.48 3.08,16.21 3.08,15.38 2.38,14.68 2.38,7.54 5.16,4.76 7.24,4.76 v1(7.54,4.46)
  Bottom w0.2: v1(175.01,23.24) 175.31,22.94 187.62,22.94 188.02,22.54 206.67,22.54 206.83,22.38 206.83,22.38 207.07,22.14 225.32,22.14 225.72,21.74 266.03,21.74 270.32,17.46 274.16,17.46 278.44,21.74 289.84,21.74 294.13,17.46 297.86,17.46 303.02,22.61 I3.23 ; LED69.2 48.74,23.74 v1(48.81,23.81) 54.14,23.81 56.12,25.79 59.76,25.79 61.74,23.81 v1(74.21,23.81) ; v1(43.26,23.81) 37.53,23.81 36.34,25 31.91,25 30.72,23.81 v1(13.1,23.81) 13.03,23.74 LED68.2 ; v1(175.01,24.64) 174.81,24.84 LED75.1 ; 38.96,3.49 39.99,4.52 39.99,5.1 39.29,5.79 LED66.1 ; 38.96,3.49 39.68,2.77 40.36,2.77 41.95,4.36 57.38,4.36 57.85,3.89 61.07,3.89 LED67.2 ; 38.96,3.49 33.25,3.49 32.85,3.89 9.57,3.89 LED65.3 7.77,4.69 v1(7.54,4.46) ; LED72.2 117.8,23.74 v1(117.86,23.81) 130.17,23.81 131.37,22.61 149.23,22.61 149.69,22.14 167.96,22.14 v1(168.26,21.84) ; LED70.2 79.7,23.74 v1(79.77,23.81) v1(93.26,23.81) ; LED71.2 98.75,23.74 v1(98.82,23.81) v1(112.54,23.81)
